# KiCad board Right.kicad_pcb
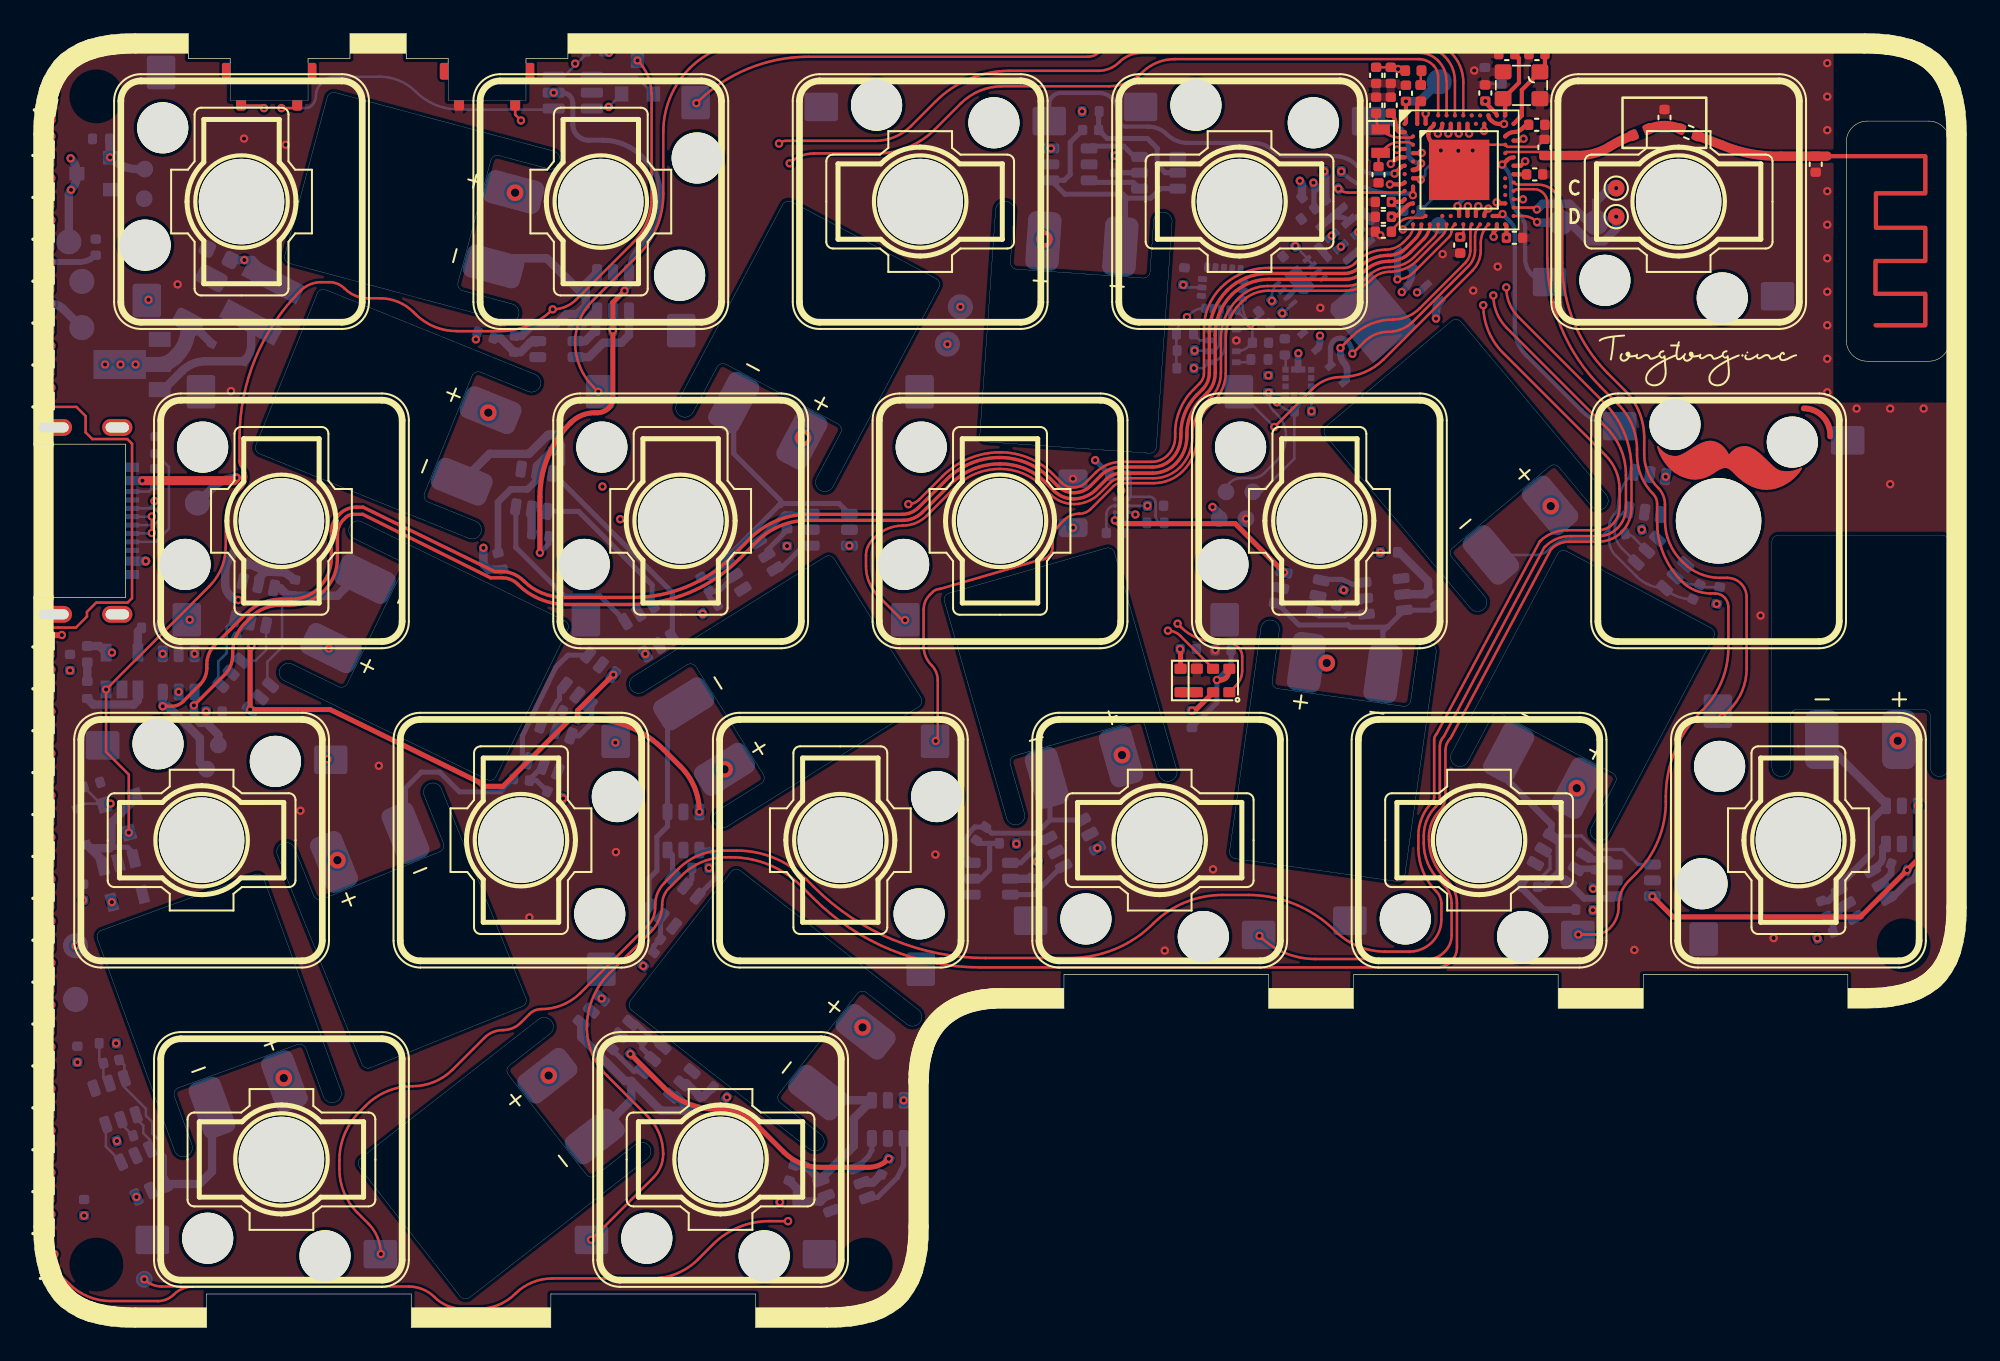
[diagram p0: board, top side]
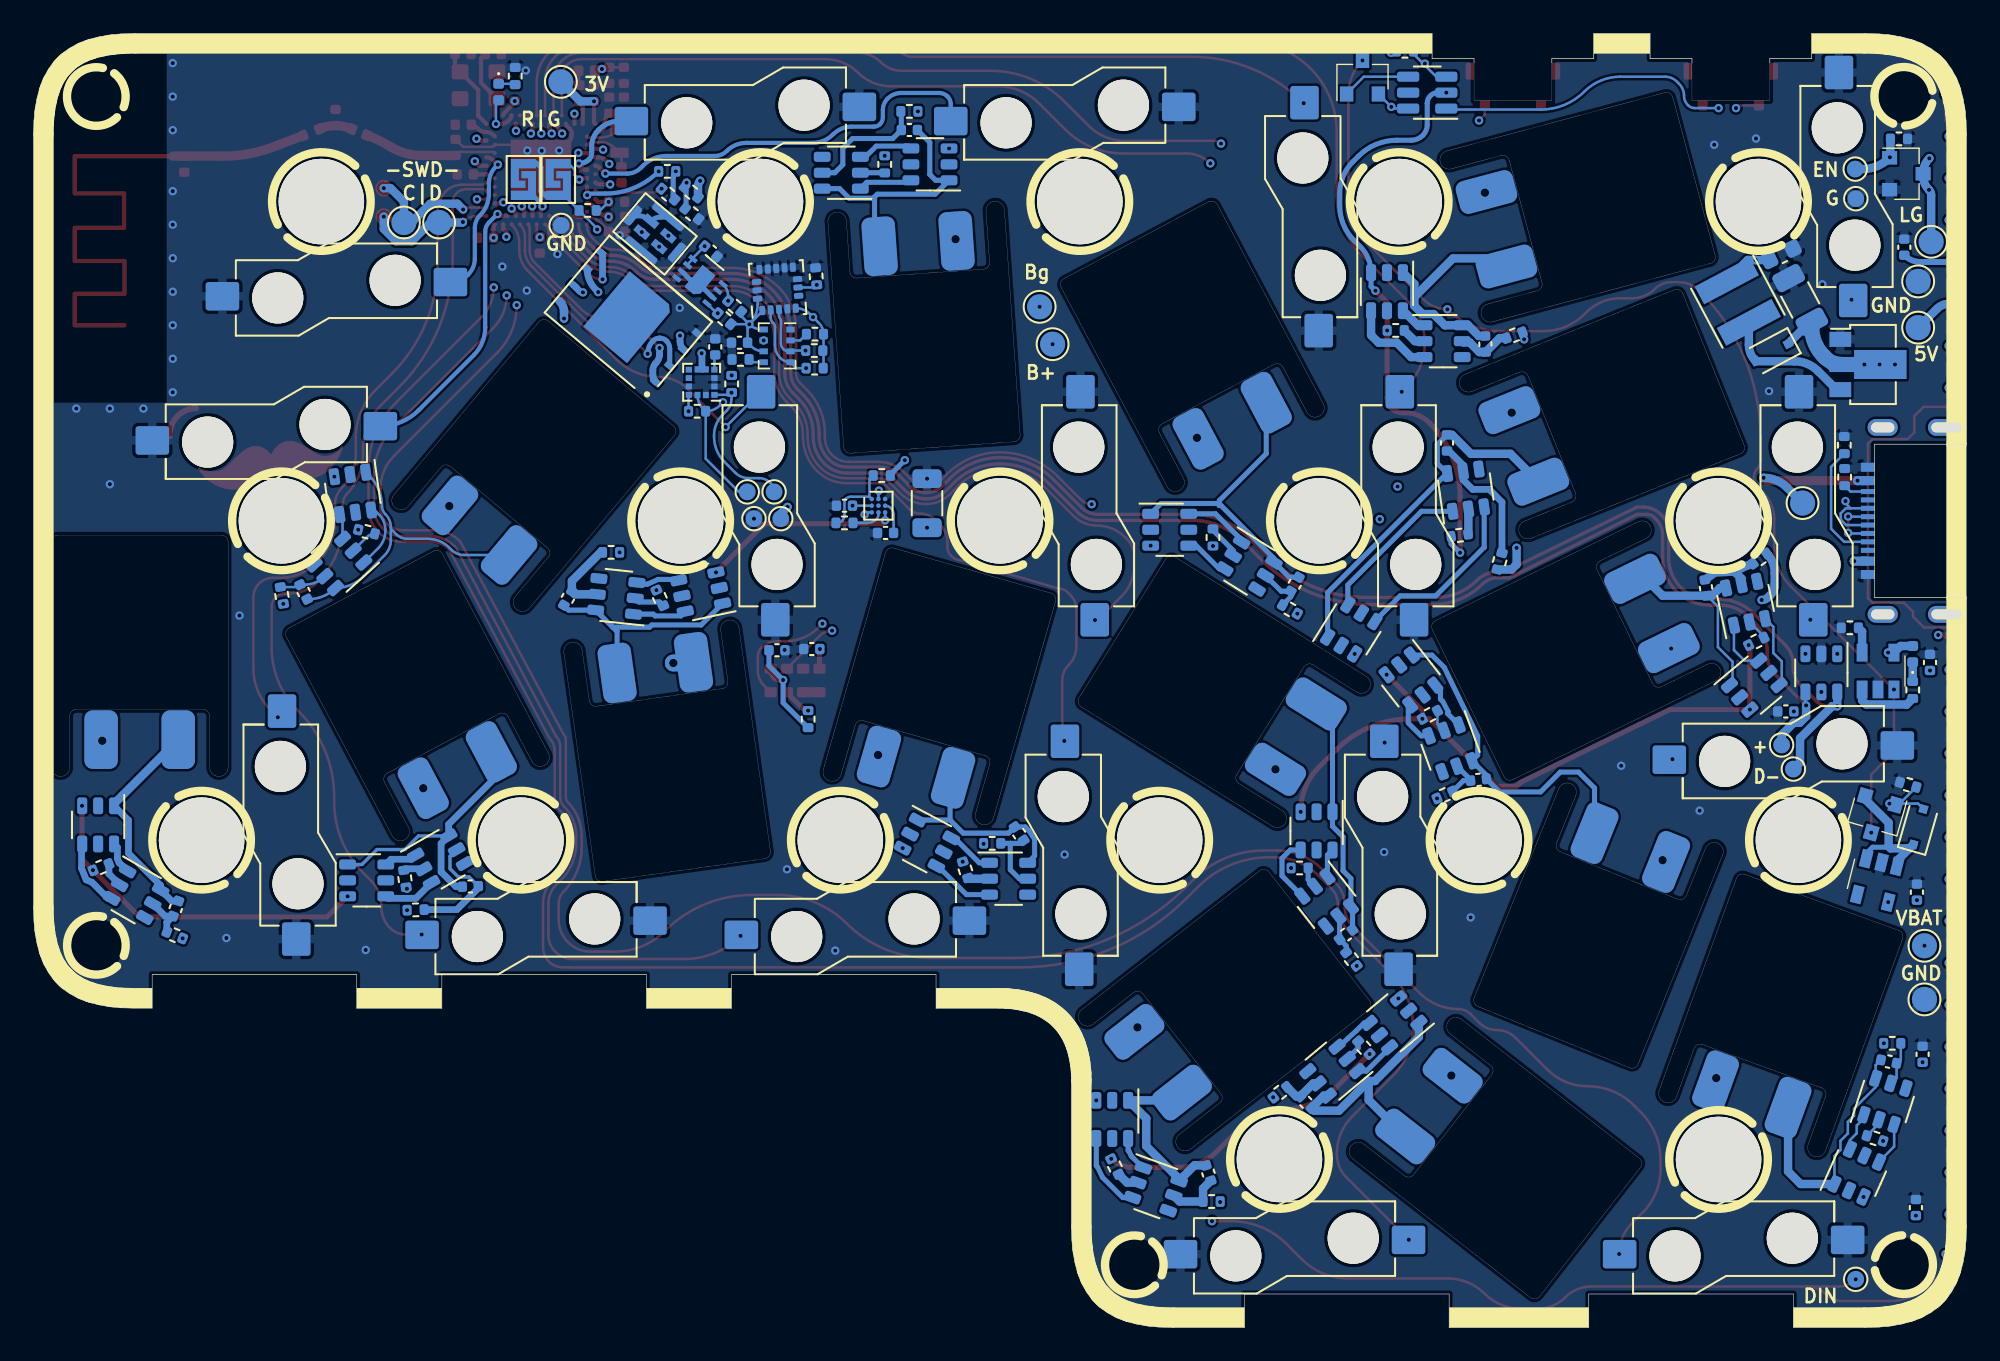
[diagram p1: board, bottom side, seen from below]

Outline 115.3 x 77.2 mm; copper layers: Top, In1.Cu, In2.Cu, Bottom. Coordinates in mm from the lower left corner of the outline.
Outline path: circle c3.75,3.75 r1.4 ; circle c3.75,73.45 r1.4 ; circle c49.64,3.75 r1.4 ; circle c111.55,73.45 r1.4 ; circle c111.55,22.8 r1.4 ; 11.73,75.45 11.73,75.7 9.23,75.7 9.23,77.2 6,77.2 5.22,77.18 4.68,77.13 4.48,77.11 3.88,77 3.31,76.85 3.13,76.79 2.78,76.65 2.61,76.58 2.13,76.31 1.7,76 1.57,75.89 1.44,75.76 1.31,75.63 1.2,75.5 0.89,75.07 0.62,74.59 0.55,74.42 0.41,74.07 0.35,73.89 0.2,73.32 0.09,72.72 0.07,72.52 0.02,71.98 0,71.2 0,52.7 5.5,52.7 5.5,43.55 0,43.55 0,6 0.02,5.22 0.07,4.68 0.09,4.48 0.2,3.88 0.35,3.31 0.41,3.13 0.55,2.78 0.62,2.61 0.89,2.13 1.2,1.7 1.31,1.57 1.44,1.44 1.57,1.31 1.7,1.2 2.13,0.89 2.61,0.62 2.78,0.55 3.13,0.41 3.31,0.35 3.88,0.2 4.48,0.09 4.68,0.07 5.22,0.02 6,0 10.33,0 10.33,2 22.53,2 22.53,0 30.86,0 30.86,2 43.06,2 43.06,0 47.39,0 48.17,0.02 48.7,0.07 48.91,0.09 49.51,0.2 50.08,0.35 50.26,0.41 50.61,0.55 50.78,0.62 51.25,0.89 51.69,1.2 51.82,1.32 51.95,1.44 52.07,1.57 52.19,1.7 52.5,2.13 52.77,2.61 52.84,2.78 52.98,3.13 53.04,3.31 53.18,3.88 53.29,4.48 53.32,4.68 53.37,5.22 53.39,6 53.39,14.77 53.4,15.1 53.4,15.15 53.41,15.31 53.45,15.63 53.47,15.78 53.51,15.99 53.56,16.21 53.6,16.37 53.67,16.62 53.72,16.75 53.83,17 53.88,17.12 53.97,17.27 54.05,17.4 54.08,17.45 54.18,17.59 54.31,17.77 54.4,17.86 54.58,18.04 54.67,18.13 54.85,18.26 54.98,18.35 55.04,18.39 55.17,18.47 55.32,18.55 55.44,18.61 55.69,18.72 55.82,18.76 56.07,18.84 56.23,18.88 56.45,18.93 56.66,18.97 56.81,18.99 57.12,19.02 57.28,19.04 57.34,19.04 57.67,19.05 61.47,19.05 61.47,21.05 73.67,21.05 73.67,19.05 78.74,19.05 78.74,21.05 90.94,21.05 90.94,19.05 96.02,19.05 96.02,21.05 108.22,21.05 108.22,19.05 109.3,19.05 110.08,19.07 110.62,19.12 110.82,19.14 111.42,19.25 111.99,19.4 112.17,19.46 112.52,19.6 112.69,19.67 113.17,19.94 113.6,20.25 113.73,20.37 113.86,20.49 113.98,20.62 114.1,20.75 114.41,21.18 114.68,21.66 114.75,21.83 114.89,22.18 114.95,22.36 115.1,22.93 115.2,23.53 115.23,23.73 115.28,24.27 115.3,25.05 115.3,71.2 115.28,71.98 115.23,72.52 115.2,72.72 115.1,73.32 114.95,73.89 114.89,74.07 114.75,74.42 114.68,74.59 114.41,75.07 114.1,75.5 113.98,75.63 113.86,75.76 113.73,75.89 113.6,76 113.17,76.31 112.69,76.58 112.52,76.65 112.17,76.79 111.99,76.85 111.42,77 110.82,77.11 110.62,77.13 110.08,77.18 109.3,77.2 31.87,77.2 31.87,75.7 29.37,75.7 29.37,75.45 ; 16.37,75.45 16.37,75.7 18.87,75.7 18.87,77.2 22.23,77.2 22.23,75.7 24.73,75.7 24.73,75.45
Stack: Top 0.035mm / dielectric 0.2104mm FR4 er 4.5 / In1.Cu 0.0152mm / dielectric 0.4mm FR4 er 4.5 / In2.Cu 0.0152mm / dielectric 0.2104mm FR4 er 4.5 / Bottom 0.035mm

## Placement (name value [footprint] x y rotation side)
AE1  Antenna  [2.4GHz-meander-antenna-v2]  107.12 69.88 90 top
B1  Battery  [BatteryV2]  13.38 52.38 68 top
B2  Battery  [BatteryV2]  31.77 41.9 244 top
B3  Battery  [BatteryV2]  35.64 19.21 52 top
B4  Battery  [BatteryV2]  66.76 52.35 176 top
B5  Battery  [BatteryV2]  3.93 23.44 20 top
B6  Battery  [BatteryV2]  15.13 63.73 75 top
B7  Battery  [BatteryV2]  81.57 26.78 172 top
B8  Battery  [BatteryV2]  91.18 46.23 332 top
B9  Battery  [BatteryV2]  25.73 1.82 128 top
B10  Battery  [BatteryV2]  44.95 67.07 332 top
B11  Battery  [BatteryV2]  29.25 19.41 202 top
B12  Battery  [BatteryV2]  47.49 45.91 302 top
B13  Battery  [BatteryV2]  54.47 43.56 16 top
B14  Battery  [BatteryV2]  103.89 47.07 0 top
B15  Battery  [BatteryV2]  77.09 53.5 40 top
C1  100nF  [C_0402_1005Metric]  30.99 52.77 90 bottom
C2  100nF  [C_0402_1005Metric]  15.54 44.13 262 bottom
C3  100nF  [C_0402_1005Metric]  45.22 9.21 72 bottom
C4  100nF  [C_0402_1005Metric]  63.06 71.44 180 bottom
C5  100nF  [C_0402_1005Metric]  4.64 15.86 12 bottom
C6  100nF  [C_0402_1005Metric]  28.7 58.67 88 bottom
C7  100nF  [C_0402_1005Metric]  83.43 43.5 300 bottom
C8  100nF  [C_0402_1005Metric]  89.25 26.31 358 bottom
C9  100nF  [C_0402_1005Metric]  39.41 13.43 226 bottom
C10  100nF  [C_0402_1005Metric]  40.07 44.34 120 bottom
C11  100nF  [C_0402_1005Metric]  29.11 32.67 174 bottom
C12  100nF  [C_0402_1005Metric]  37.01 23.44 144 bottom
C13  100nF  [C_0402_1005Metric]  56.51 29.46 56 bottom
C14  100nF  [C_0402_1005Metric]  106.82 24.99 110 bottom
C15  100nF  [C_0402_1005Metric]  99.19 43.88 244 bottom
C16  100nF  [C_0402_1005Metric]  3.71 64.45 270 bottom
C17  100nF  [C_0402_1005Metric]  2.18 39.68 270 bottom
C18  100nF  [C_0402_1005Metric]  2.96 25.97 270 bottom
C19  100nF  [C_0402_1005Metric]  2.62 16.3 270 bottom
C20  100nF  [C_0402_1005Metric]  3.02 7.15 270 bottom
C21  100nF  [C_0402_1005Metric]  10.78 36.75 0 bottom
C22  12pF  [C_0402_1005Metric]  80.09 72.92 90 top
C23  12pF  [C_0402_1005Metric]  80.23 68.77 270 top
C24  4.7uF  [C_0402_1005Metric]  80.52 67.15 0 top
C25  4.7uF  [C_0402_1005Metric]  80.52 66.26 0 top
C26  100nF  [C_0402_1005Metric]  80.96 72.92 270 top
C27  4.7uF  [C_0402_1005Metric]  80.52 65.37 0 top
C28  1uF  [C_0402_1005Metric]  81.87 73.63 270 top
C29  1uF  [C_0402_1005Metric]  80.96 74.7 270 top
C30  47nF  [C_0402_1005Metric]  80.09 74.7 270 top
C31  100nF  [C_0402_1005Metric]  85.1 64.58 90 top
C32  100nF  [C_0402_1005Metric]  86.6 73.65 270 top
C33  100nF  [C_0402_1005Metric]  88.34 65.01 180 top
C34  820pF  [C_0402_1005Metric]  89.55 68.79 180 top
C35  1pF  [C_0402_1005Metric]  90.13 70.4 270 top
C36  12pF  [C_0402_1005Metric]  87.88 75.97 0 top
C37  12pF  [C_0402_1005Metric]  89.68 75.97 0 top
C38  100pF  [C_0402_1005Metric]  89.67 71.75 0 top
C39  1pF  [C_0402_1005Metric]  97.29 72.19 270 top
C40  1.5pF  [C_0402_1005Metric]  106.31 69.4 270 top
C41  0.47uF  [C_0402_1005Metric]  64.48 47.4 180 bottom
C42  0.1uF  [C_0402_1005Metric]  66.93 49.03 0 bottom
C43  47uF  [C_0603_1608Metric]  11.06 64.02 154 bottom
C44  100uF  [C_1206_3216Metric]  9.92 61.3 62 bottom
C45  100nF  [C_0402_1005Metric]  73.19 58.75 180 bottom
C46  100nF  [C_0402_1005Metric]  74.9 64.2 220 bottom
C47  1uF  [C_0402_1005Metric]  68.88 40.48 180 bottom
C48  0.1uF  [C_0402_1005Metric]  70.95 40.4 0 bottom
C49  0.1uF  [C_0402_1005Metric]  74.64 58.5 90 bottom
D1  1N5819  [D_SOD-323F]  2.87 29.87 106 bottom
D2  BLUE  [LED_0402_1005Metric]  87.56 73.71 270 bottom
D3  1N5819  [D_SOD-323F]  11.61 58.17 332 bottom
D4  RED  [LED_0402_1005Metric]  3.21 40.17 90 bottom
J1  USB-C USB 2.0 MC-372  [USB-C_C168688]  5.5 48.12 270 bottom
JP1  SolderJumper_2_Open  [SolderBridge]  84 68.49 90 bottom
JP2  SolderJumper_2_Open  [SolderBridge]  86.08 68.49 90 bottom
K1  KeyboardSwitch  [GateronHotswap]  12.41 67.17 270 top
K2  KeyboardSwitch  [GateronHotswap]  33.84 67.17 90 top
K3  KeyboardSwitch  [GateronHotswap]  52.89 67.17 180 top
K4  KeyboardSwitch  [GateronHotswap]  71.94 67.17 180 top
K5  KeyboardSwitch  [GateronHotswap]  98.13 67.17 0 top
K6  KeyboardSwitch  [GateronHotswap]  14.79 48.12 270 top
K7  KeyboardSwitch  [GateronHotswap]  38.6 48.12 270 top
K8  KeyboardSwitch  [GateronHotswap]  57.65 48.12 270 top
K9  KeyboardSwitch  [GateronHotswap]  76.7 48.12 270 top
K10  KeyboardSwitch  [GateronHotswap]  100.51 48.12 180 top
K11  KeyboardSwitch  [GateronHotswap]  10.03 29.07 180 top
K12  KeyboardSwitch  [GateronHotswap]  29.08 29.07 90 top
K13  KeyboardSwitch  [GateronHotswap]  48.13 29.07 90 top
K14  KeyboardSwitch  [GateronHotswap]  67.18 29.07 0 top
K15  KeyboardSwitch  [GateronHotswap]  86.23 29.07 0 top
K16  KeyboardSwitch  [GateronHotswap]  105.28 29.07 270 top
K17  KeyboardSwitch  [GateronHotswap]  14.79 10.02 0 top
K18  KeyboardSwitch  [GateronHotswap]  40.98 10.02 0 top
L1  15nH  [L_0402_1005Metric]  82.31 74.98 0 top
L2  10uH  [L_0402_1005Metric]  82.75 73.64 270 top
L3  3.9nH  [L_0402_1005Metric]  95.87 71.32 22 top
L4  22uH  [L_Taiyo-Yuden_NR-40xx]  13.64 61.2 242 bottom
Q1  AO3407  [SOT-23]  5.41 30.48 286 bottom
Q2  AO3407  [SOT-23]  36.03 74.59 90 bottom
Q3  8205A  [SOT-23-6-Small]  36.7 41.65 122 bottom
Q4  8205A  [SOT-23-6-Small]  12.66 38.32 140 bottom
Q5  8205A  [SOT-23-6-Small]  50.96 12.41 270 bottom
Q6  8205A  [SOT-23-6-Small]  61.83 69.39 0 bottom
Q7  8205A  [SOT-23-6-Small]  6.55 9.21 114 bottom
Q8  8205A  [SOT-23-6-Small]  34.57 61.8 270 bottom
Q9  8205A  [SOT-23-6-Small]  75.51 43.88 348 bottom
Q10  8205A  [SOT-23-6-Small]  95.43 26.67 180 bottom
Q11  DW01  [SOT-23-6-Small]  29.87 49.95 82 bottom
Q12  DW01  [SOT-23-6-Small]  13.18 43.2 78 bottom
Q13  DW01  [SOT-23-6-Small]  48.36 8.25 200 bottom
Q14  DW01  [SOT-23-6-Small]  67.12 68.89 0 bottom
Q15  DW01  [SOT-23-6-Small]  4.87 13.48 108 bottom
Q16  DW01  [SOT-23-6-Small]  31.22 58.84 180 bottom
Q17  DW01  [SOT-23-6-Small]  80.54 43.62 6 bottom
Q18  DW01  [SOT-23-6-Small]  91.05 27.93 150 bottom
Q19  8205A  [SOT-23-6-Small]  34.15 18.17 320 bottom
Q20  8205A  [SOT-23-6-Small]  47.53 47.59 180 bottom
Q21  8205A  [SOT-23-6-Small]  33.14 38.63 232 bottom
Q22  8205A  [SOT-23-6-Small]  38.77 29.62 270 bottom
Q23  DW01  [SOT-23-6-Small]  37.81 15.29 320 bottom
Q24  DW01  [SOT-23-6-Small]  42.78 45.46 212 bottom
Q25  DW01  [SOT-23-6-Small]  30.78 34.55 250 bottom
Q26  DW01  [SOT-23-6-Small]  38.17 25.42 232 bottom
Q27  8205A  [SOT-23-6-Small]  62.01 28.9 208 bottom
Q28  8205A  [SOT-23-6-Small]  111.45 29.98 270 bottom
Q29  8205A  [SOT-23-6-Small]  96.26 49.76 262 bottom
Q30  DW01  [SOT-23-6-Small]  57.14 26.77 180 bottom
Q31  DW01  [SOT-23-6-Small]  109.18 25.85 210 bottom
Q32  DW01  [SOT-23-6-Small]  97.08 45.58 318 bottom
Q33  AO3400A  [SOT-23]  3.59 68.83 180 bottom
R1  100K  [R_0402_1005Metric]  3.49 32.38 16 bottom
R2  5.1K  [R_0402_1005Metric]  33.5 76.14 0 bottom
R3  1K  [R_0402_1005Metric]  30.24 47.26 172 bottom
R4  1K  [R_0402_1005Metric]  12.54 40.93 154 bottom
R5  1K  [R_0402_1005Metric]  50.8 9.6 244 bottom
R6  1K  [R_0402_1005Metric]  64.53 69.39 270 bottom
R7  1K  [R_0402_1005Metric]  5.46 11.28 18 bottom
R8  1K  [R_0402_1005Metric]  34.05 59.48 180 bottom
R9  1K  [R_0402_1005Metric]  77.94 43.53 246 bottom
R10  1K  [R_0402_1005Metric]  93.15 26.77 82 bottom
R11  100  [R_0402_1005Metric]  27.85 45.71 106 bottom
R12  100  [R_0402_1005Metric]  12.33 45.87 324 bottom
R13  100  [R_0402_1005Metric]  45.03 7.51 0 bottom
R14  100  [R_0402_1005Metric]  63.06 72.55 0 bottom
R15  100  [R_0402_1005Metric]  4.43 16.95 180 bottom
R16  100  [R_0402_1005Metric]  26.97 59.2 340 bottom
R17  100  [R_0402_1005Metric]  80.85 46.24 0 bottom
R18  100  [R_0402_1005Metric]  92.51 24.91 178 bottom
R19  1K  [R_0402_1005Metric]  35.95 16.69 48 bottom
R20  1K  [R_0402_1005Metric]  44.95 47.13 90 bottom
R21  1K  [R_0402_1005Metric]  32.01 36.55 152 bottom
R22  1K  [R_0402_1005Metric]  39.78 27.41 180 bottom
R23  100  [R_0402_1005Metric]  40.94 14.03 142 bottom
R24  100  [R_0402_1005Metric]  40.36 42.84 30 bottom
R25  100  [R_0402_1005Metric]  31.12 31.77 156 bottom
R26  100  [R_0402_1005Metric]  36.69 21.97 52 bottom
R27  1K  [R_0402_1005Metric]  59.72 27.3 252 bottom
R28  1K  [R_0402_1005Metric]  111.28 27.46 158 bottom
R29  1K  [R_0402_1005Metric]  95.44 47.47 194 bottom
R30  100  [R_0402_1005Metric]  58.12 28.88 180 bottom
R31  100  [R_0402_1005Metric]  106.88 23.4 22 bottom
R32  100  [R_0402_1005Metric]  100.49 43.67 80 bottom
R33  5.1K  [R_0402_1005Metric]  7.29 52.64 90 bottom
R34  5.1K  [R_0402_1005Metric]  7.27 50.73 90 bottom
R35  5.1K  [R_0402_1005Metric]  82.25 66.64 180 bottom
R36  4.7K  [R_0402_1005Metric]  77.5 68.97 180 bottom
R37  4.7K  [R_0402_1005Metric]  77.45 67.61 220 bottom
R38  1K  [R_0402_1005Metric]  86.57 74.66 90 bottom
R39  0R  [R_0402_1005Metric]  98.74 71.31 338 top
R40  820K  [R_0402_1005Metric]  76.07 67.73 38 bottom
R41  2M  [R_0402_1005Metric]  76.03 66.44 218 bottom
R42  0.010  [R_1206_3216Metric]  62 49.18 90 bottom
R43  10k  [R_0402_1005Metric]  66.93 48 180 bottom
R44  1K  [R_0402_1005Metric]  3.21 38.03 270 bottom
R45  12K  [R_0402_1005Metric]  6.96 41.74 0 bottom
R46  2M  [R_0402_1005Metric]  4.03 70.91 180 bottom
R47  4.7K  [R_0402_1005Metric]  68.62 62.71 86 bottom
R48  10K  [R_0402_1005Metric]  68.69 59.26 180 bottom
R49  10K  [R_0402_1005Metric]  68.71 57.23 180 bottom
R50  10K  [R_0402_1005Metric]  73.13 57.75 180 bottom
R51  10K  [R_0402_1005Metric]  68.73 58.28 180 bottom
R52  10K  [R_0402_1005Metric]  74.1 60.18 220 bottom
R53  10K  [R_0402_1005Metric]  73.48 60.92 220 bottom
R54  10K  [R_0402_1005Metric]  69.1 36.29 270 bottom
R55  10K  [R_0402_1005Metric]  73.66 56.29 90 bottom
R56  10K  [R_0402_1005Metric]  75.72 54.66 0 bottom
REF**  -  [TestPoint_Pad_D1.0mm]  94.41 66.27 0 top
REF**#2  -  [TestPoint_Pad_D1.0mm]  94.41 67.97 0 top
REF**#3  -  [TestPoint_Pad_D1.5mm]  91.11 65.92 180 bottom
REF**#4  -  [TestPoint_Pad_D1.0mm]  6.61 2.87 180 bottom
REF**#5  -  [TestPoint_Pad_D1.0mm]  71.13 49.85 0 bottom
REF**#6  -  [TestPoint_Pad_D1.5mm]  2.51 22.77 0 bottom
REF**#7  -  [TestPoint_Pad_D1.5mm]  55.29 60.89 180 bottom
REF**#8  -  [TestPoint_Pad_D1.0mm]  83.83 65.75 270 bottom
REF**#9  -  [TestPoint_Pad_D1.0mm]  6.64 69.11 270 bottom
REF**#10  -  [TestPoint_Pad_D1.0mm]  11.03 34.75 154 bottom
REF**#11  -  [TestPoint_Pad_D1.0mm]  10.33 33.32 154 bottom
REF**#12  -  [TestPoint_Pad_D1.5mm]  2.88 59.65 180 bottom
REF**#13  -  [TestPoint_Pad_D1.5mm]  93.21 65.92 180 bottom
REF**#14  -  [TestPoint_Pad_D1.5mm]  83.84 74.32 180 bottom
REF**#15  -  [TestPoint_Pad_D1.0mm]  72.33 48.25 180 bottom
REF**#16  -  [TestPoint_Pad_D1.5mm]  2.88 62.41 180 bottom
REF**#17  -  [TestPoint_Pad_D1.0mm]  72.73 49.85 0 bottom
REF**#18  -  [TestPoint_Pad_D1.0mm]  6.6 67.35 270 bottom
REF**#19  -  [TestPoint_Pad_D1.5mm]  2.51 19.57 0 bottom
REF**#20  -  [TestPoint_Pad_D1.5mm]  2.11 64.77 180 bottom
REF**#21  -  [TestPoint_Pad_D1.0mm]  70.73 48.25 180 bottom
REF**#22  -  [TestPoint_Pad_D1.5mm]  54.51 58.67 180 bottom
REF**#23  -  [TestPoint_Pad_D1.5mm]  9.78 49.19 180 bottom
TH1  Thermistor_NTC  [R_0402_1005Metric]  64.7 50.83 180 bottom
U1  AP2112K-3.3  [SOT-23-5]  5.33 26.67 284 bottom
U2  -  [Button]  14.05 73.2 0 top
U3  MAX16054  [SOT-23-6]  32.17 73.67 0 bottom
U4  WS2812B_-_1010  [Led-ARGB]  0.85 72.86 350 top
U5  WS2812B_-_1010  [Led-ARGB]  0.71 70.27 0 top
U6  WS2812B_-_1010  [Led-ARGB]  0.71 67.77 0 top
U7  WS2812B_-_1010  [Led-ARGB]  0.71 65.27 0 top
U8  WS2812B_-_1010  [Led-ARGB]  0.71 62.77 0 top
U9  WS2812B_-_1010  [Led-ARGB]  0.71 60.27 0 top
U10  WS2812B_-_1010  [Led-ARGB]  0.71 57.77 0 top
U11  WS2812B_-_1010  [Led-ARGB]  0.71 55.27 0 top
U12  WS2812B_-_1010  [Led-ARGB]  0.71 40.95 0 top
U13  WS2812B_-_1010  [Led-ARGB]  0.71 38.45 0 top
U14  WS2812B_-_1010  [Led-ARGB]  0.71 35.95 0 top
U15  WS2812B_-_1010  [Led-ARGB]  0.71 33.45 0 top
U16  WS2812B_-_1010  [Led-ARGB]  0.71 30.95 0 top
U17  WS2812B_-_1010  [Led-ARGB]  0.71 28.45 0 top
U18  WS2812B_-_1010  [Led-ARGB]  0.71 25.95 0 top
U19  WS2812B_-_1010  [Led-ARGB]  0.71 23.45 0 top
U20  WS2812B_-_1010  [Led-ARGB]  0.71 20.95 0 top
U21  WS2812B_-_1010  [Led-ARGB]  0.71 18.45 0 top
U22  WS2812B_-_1010  [Led-ARGB]  0.71 15.95 0 top
U23  WS2812B_-_1010  [Led-ARGB]  0.71 13.45 0 top
U24  WS2812B_-_1010  [Led-ARGB]  0.71 10.95 0 top
U25  WS2812B_-_1010  [Led-ARGB]  0.71 8.45 0 top
U26  WS2812B_-_1010  [Led-ARGB]  0.71 5.95 0 top
U27  WS2812B_-_1010  [Led-ARGB]  1.02 3.49 18 top
U28  USBLC6-2SC6  [SOT-23-6-Small]  8.66 39.05 270 bottom
U29  -  [Button]  27.05 73.2 0 top
U30  nRF52840_aQFN73  [AQFN-73-1EP_7x7mm_P0.5mm_NRF52840-custom]  85.04 69.06 0 top
U31  MAX17055  [WLP-9_1.448x1.468mm_Layout3x3_P0.4mm_Ball0.27mm_Pad0.25mm]  64.9 49.03 180 bottom
U32  BL8530_501SM  [SOT-89-3]  5.88 57.45 180 bottom
U33  TP4054  [SOT-23-5]  5.28 39.16 90 bottom
U34  LSM6DS33  [LGA-16_3x3mm_P0.5mm_LayoutBorder3x5y]  70.92 61.96 86 bottom
U35  BMP280  [Bosch_LGA-8_2x2.5mm_P0.65mm_ClockwisePinNumbering]  70.95 58.56 270 bottom
U36  SHT30-DIS  [Sensirion_DFN-8-1EP_2.5x2.5mm_P0.5mm_EP1.1x1.7mm]  75.55 62.42 40 bottom
U37  -  [APDS-9960]  69.88 38.6 270 top
U38  PDM_Mic  [SPK0415HM4H]  78.23 65.24 130 bottom
U39  GD25Q  [WSON8]  79.82 60.28 40 bottom
U40  LIS3MDL  [LGA-12_2x2mm_P0.5mm]  75.45 56.39 0 bottom
X1  32.768 kHz  [Crystal_SMD_2012-2Pin_2.0x1.2mm]  80.35 70.78 270 top
X2  32MHZ  [crystal 32mhz]  88.76 74.11 180 top

## Library data of the parts
X1 = -: Digikey: 728-1075-1-ND; JLC Part: C93231; LCSC Part: C97607; Manufacturer Part: SC20S-12.5PF20PPM

## Footprints (pads in the part's own frame, mm; a bottom-side part is the same pattern mirrored in y, then rotated)
2.4GHz-meander-antenna-v2
  custom 10.346x5.981 smd: 1(0,0)
APDS-9960
  rrect 0.6x0.72 smd: 1(0.7,1.455) 2(0.7,0.485) 3(0.7,-0.485) 4(0.7,-1.455) 5(-0.7,-1.455) 6(-0.7,-0.485) 7(-0.7,0.485) 8(-0.7,1.455)
AQFN-73-1EP_7x7mm_P0.5mm_NRF52840-custom
  rrect 0.575x0.575 smd: (-1.5,1.5) (-1.5,0.5) (-1.5,-0.5) (-1.5,-1.5) (-0.5,1.5) (-0.5,0.5) (-0.5,-0.5) (-0.5,-1.5) (0.5,1.5) (0.5,0.5) (0.5,-0.5) (0.5,-1.5) (1.5,1.5) (1.5,0.5) (1.5,-0.5) (1.5,-1.5)
  round 0.25 smd: A8(-1.25,3.25) A10(-0.75,3.25) A12(-0.25,3.25) A14(0.25,3.25) A16(0.75,3.25) A18(1.25,3.25) A20(1.75,3.25) A22(2.25,3.25) A23(2.75,3.25) AA24(3.25,-2.25) AB2(-2.75,-2.5) AC5(-2,-2.75) AC9(-1,-2.75) AC11(-0.5,-2.75) AC13(0,-2.75) AC15(0.5,-2.75) AC17(1,-2.75) AC19(1.5,-2.75) AC21(2,-2.75) AC24(3.25,-2.75) AD2(-2.75,-3.25) AD4(-2.25,-3.25) AD6(-1.75,-3.25) AD8(-1.25,-3.25) AD10(-0.75,-3.25) AD12(-0.25,-3.25) AD14(0.25,-3.25) AD16(0.75,-3.25) AD18(1.25,-3.25) AD20(1.75,-3.25) AD22(2.25,-3.25) AD23(2.75,-3.25) B1(-3.25,2.75) B3(-2.5,2.75) B5(-2,2.75) B7(-1.5,2.75) B9(-1,2.75) B11(-0.5,2.75) B13(0,2.75) B15(0.5,2.75) B17(1,2.75) B19(1.5,2.75) B24(3.25,2.75) C1(-3.25,2.25) D2(-2.75,2) D23(2.75,2) E24(3.25,1.75) F2(-2.75,1.5) F23(2.75,1.5) G1(-3.25,1.25) H2(-2.75,1) H23(2.75,1) J1(-3.25,0.75) J24(3.25,0.75) K2(-2.75,0.5) L1(-3.25,0.25) L24(3.25,0.25) M2(-2.75,0) N1(-3.25,-0.25) N24(3.25,-0.25) P2(-2.75,-0.5) P23(2.75,-0.5) R1(-3.25,-0.75) R24(3.25,-0.75) T2(-2.75,-1) T23(2.75,-1) U1(-3.25,-1.25) U24(3.25,-1.25) V23(2.75,-1.5) W1(-3.25,-1.75) W24(3.25,-1.75) Y2(-2.75,-2) Y23(2.75,-2)
  rect 3.6x3.6 smd: EP(0,0)
BatteryV2
  rrect 2x3.5 smd far side: 1(2.775,-12) 2(7.375,-12)
Bosch_LGA-8_2x2.5mm_P0.65mm_ClockwisePinNumbering
  rect 0.35x0.5 smd: 1(-0.975,0.8) 2(-0.325,0.8) 3(0.325,0.8) 4(0.975,0.8) 5(0.975,-0.8) 6(0.325,-0.8) 7(-0.325,-0.8) 8(-0.975,-0.8)
Button
  rrect 0.5x1 smd: 1(2.57,1.75) 4(-2.57,1.75)
  rrect 0.6x0.6 smd: 2(-1.675,-0.3) 3(1.675,-0.3)
C_0402_1005Metric
  rrect 0.56x0.62 smd: 1(-0.48,0) 2(0.48,0)
C_0603_1608Metric
  rrect 0.9x0.95 smd: 1(-0.775,0) 2(0.775,0)
C_1206_3216Metric
  rrect 1.15x1.8 smd: 1(-1.475,0) 2(1.475,0)
crystal 32mhz
  rrect 1x0.9 smd: 1(-1.1,-0.8) 2(1.1,-0.8) 3(1.1,0.8) 4(-1.1,0.8)
Crystal_SMD_2012-2Pin_2.0x1.2mm
  rect 0.6x1.1 smd: 1(-0.7,0) 2(0.7,0)
D_SOD-323F
  rect 0.5x0.5 smd: 1(-1.1,0) 2(1.1,0)
GateronHotswap
  round 3.05 hole 3.05 unplated: (-4.4,-4.7) (2.6,-5.75)
  round 5.1 hole 5.1 unplated: (0,0)
  rrect 2x1.7 smd far side: 1(5.901,-5.65) 2(-7.701,-4.8)
L_0402_1005Metric
  rrect 0.59x0.64 smd: 1(-0.485,0) 2(0.485,0)
L_Taiyo-Yuden_NR-40xx
  rect 1.2x3.7 smd: 1(-1.4,0) 2(1.4,0)
Led-ARGB
  rrect 0.35x0.35 smd: 1(-0.35,0.35) 2(0.35,0.35) 3(-0.35,-0.35) 4(0.35,-0.35)
LED_0402_1005Metric
  rrect 0.59x0.64 smd: 1(-0.485,0) 2(0.485,0)
LGA-12_2x2mm_P0.5mm
  rect 0.375x0.35 smd: 1(-0.762,0.75) 2(-0.762,0.25) 3(-0.762,-0.25) 4(-0.762,-0.75) 7(0.762,-0.75) 8(0.762,-0.25) 9(0.762,0.25) 10(0.762,0.75)
  rect 0.35x0.375 smd: 5(-0.25,-0.762) 6(0.25,-0.762) 11(0.25,0.762) 12(-0.25,0.762)
LGA-16_3x3mm_P0.5mm_LayoutBorder3x5y
  rrect 0.55x0.35 smd: 1(-1.225,1) 2(-1.225,0.5) 3(-1.225,0) 4(-1.225,-0.5) 5(-1.225,-1) 9(1.225,-1) 10(1.225,-0.5) 11(1.225,0) 12(1.225,0.5) 13(1.225,1)
  rrect 0.35x0.55 smd: 6(-0.5,-1.225) 7(0,-1.225) 8(0.5,-1.225) 14(0.5,1.225) 15(0,1.225) 16(-0.5,1.225)
R_0402_1005Metric
  rrect 0.54x0.64 smd: 1(-0.51,0) 2(0.51,0)
R_1206_3216Metric
  rrect 1.125x1.75 smd: 1(-1.462,0) 2(1.462,0)
Sensirion_DFN-8-1EP_2.5x2.5mm_P0.5mm_EP1.1x1.7mm
  custom 0.9x1.6 smd: (0,0)
  rect 0.55x0.25 smd: 1(-1.175,0.75) 2(-1.175,0.25) 3(-1.175,-0.25) 4(-1.175,-0.75) 5(1.175,-0.75) 6(1.175,-0.25) 7(1.175,0.25) 8(1.175,0.75)
  custom 1x1.7 smd: 9(0,0)
SolderBridge
  custom 1.725x1.5 smd: 1(-0.975,0.5) 2(0.975,-0.5)